# Altium PCB Double-Width Hub Bridge.PcbDoc (part 3 of 3)
Units mm, origin at the board's own origin, x right, y up, seen from the top; angles counter-clockwise.
Board outline 120 x 42.8 mm, 10 copper layers (Top Layer, Layer 2, Layer 3, Layer 4, Layer 5, Layer 6, Layer 7, Layer 8, Layer 9, Bottom Layer), stack 1.595 mm thick; 132 components, 172 nets, 1094 pads, 369 vias.
Unrouted connection lines stored in the file: 40.
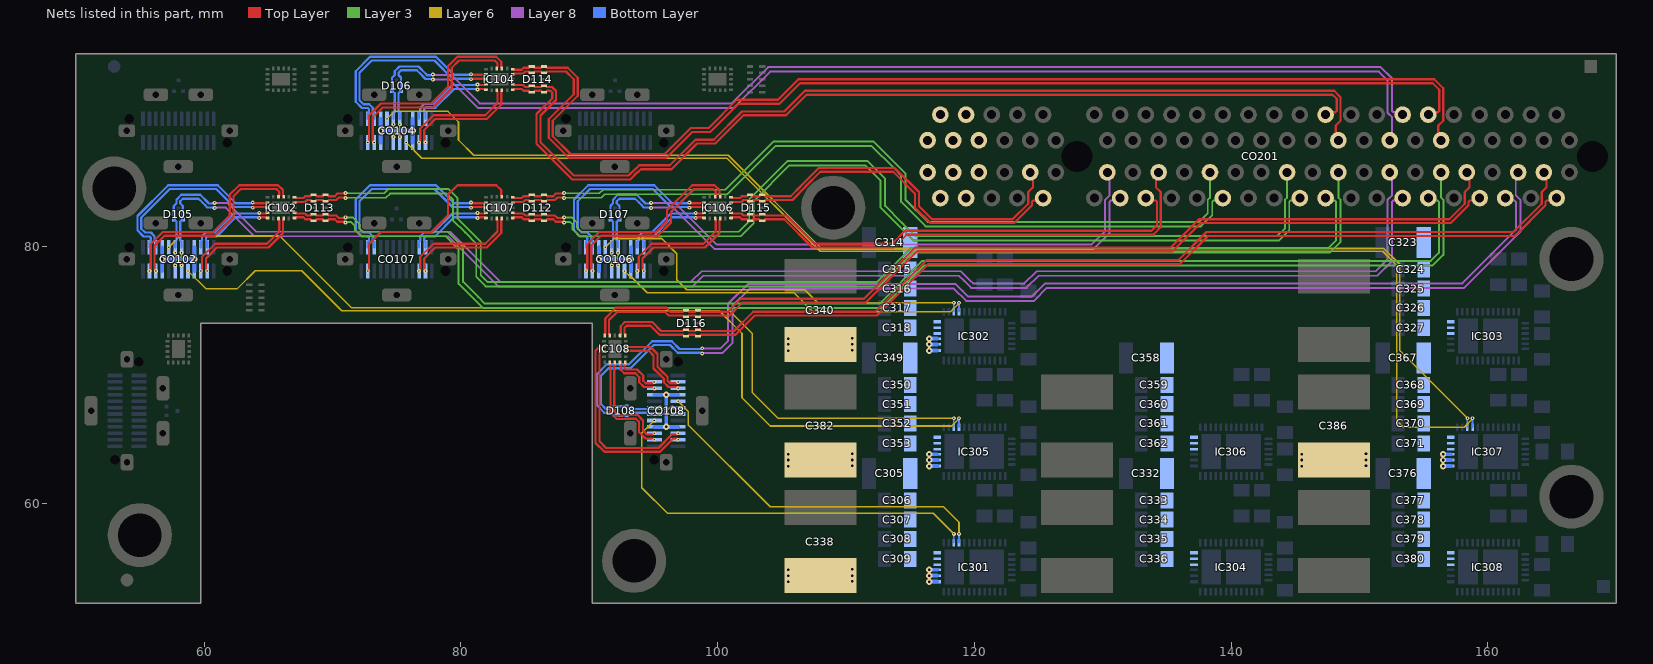
[diagram p11: the nets of this part, all layers, seen from the top]

## Via types
v1: diameter 0.3, hole 0.1, Top Layer to Bottom Layer, 185 vias
v2: diameter 0.5, hole 0.2, Top Layer to Bottom Layer, 104 vias
v3: diameter 0.45, hole 0.2, Top Layer to Bottom Layer, 80 vias

## Nets (pads, with @x,y where several pads share a name; then routed paths per layer and width w, separated by ;. In a path a pad name is that pad's centre, name@x,y a point inside that pad or via, vN(x,y) a via of type N, cw(c..) or ccw(c..) an arc to the next point about the centre after c; other vN are vias at no path point) (continued)
USB3_RX1_P: CO107.31 IC107.2 | length 16
  Top Layer w0.175: v1(72.75,78.075) 72.75,78.109 72.85,78.209 72.85,80.174 73.788,81.112 77.712,81.112 79,82.4 79,84.024 79.733,84.758 82.767,84.758 83.15,84.374 83.15,83.95 83.2,83.9 IC107.2@83.2,83.85
USB3_RX2_N: CO107.10 IC107.8 | length 6.8
  Top Layer w0.175: v1(81.3,82.6) 81.324,82.576 81.412,82.576 81.438,82.55 81.85,82.55 81.9,82.6 IC107.8@81.95,82.6
  Bottom Layer w0.175: CO107.10@76.75,79.925 76.75,80.36 76.85,80.46 76.85,80.784 77.149,81.084 77.884,81.084 79.35,82.55 81.162,82.55 81.188,82.576 81.276,82.576 v1(81.3,82.6)
USB3_RX2_P: CO107.11 IC107.9 | length 6.3
  Top Layer w0.175: v1(81.3,82.2) 81.324,82.224 81.412,82.224 81.438,82.25 81.85,82.25 81.9,82.2 IC107.9@81.95,82.2
  Bottom Layer w0.175: CO107.11@77.25,79.925 77.25,80.36 77.15,80.46 77.15,80.66 77.274,80.784 78.008,80.784 79.474,82.25 81.162,82.25 81.188,82.224 81.276,82.224 v1(81.3,82.2)
USB3_RX_N: CO201.B22 D112.2 D112.9 IC107.17 | length 62.8
  Top Layer w0.175: IC107.17@84.05,83.4 84.1,83.4 84.15,83.45 84.862,83.45 85.013,83.6 85.287,83.6 85.387,83.5 D112.2@85.525,83.5 D112.2@85.662,83.5 ; D112.9@86.475,83.5 D112.9@86.338,83.5 ; D112.9@86.638,83.5 86.738,83.6 87.325,83.6 87.525,83.8 87.912,83.8 87.938,83.774 88.026,83.774 v1(88.05,83.75) ; D112.2@85.662,83.5 D112.2@85.762,83.6 ; D112.2@85.663,83.5 D112.2@85.762,83.6 ; D112.2@85.762,83.6 86.237,83.6 ; 86.237,83.6 D112.9@86.337,83.5 ; 86.238,83.6 D112.9@86.338,83.5
  Layer 3 w0.15: v1(88.05,83.75) 88.075,83.775 89.25,83.775 90.945,83.775 91.22,84.05 100.745,84.05 104.495,87.8 112,87.8 113.7,86.1 114.3,85.5 114.3,83.455 116.205,81.55 137.645,81.55 138.525,82.43 138.525,83.462 138.613,83.55 139.15,83.55 CO201.B22@139.35,83.75
USB3_RX_P: CO201.B21 D112.1 D112.10 IC107.18 | length 63.6
  Top Layer w0.175: IC107.18@84.05,83.8 84.1,83.8 84.15,83.75 84.738,83.75 84.888,83.9 85.288,83.9 85.387,84 D112.1@85.525,84 D112.1@85.662,84 ; D112.10@86.475,84 D112.10@86.338,84 ; D112.10@86.638,84 86.738,83.9 87.201,83.9 87.401,84.1 87.912,84.1 87.938,84.126 88.026,84.126 v1(88.05,84.15) ; D112.1@85.662,84 D112.1@85.762,83.9 ; D112.1@85.663,84 85.763,83.9 ; 85.763,83.9 86.237,83.9 ; 86.237,83.9 D112.10@86.337,84 ; D112.10@86.238,83.9 D112.10@86.338,84
  Layer 3 w0.15: v1(88.05,84.15) 88.075,84.125 89.395,84.125 90.8,84.125 91.075,84.4 100.6,84.4 104.35,88.15 112.145,88.15 114.195,86.1 114.65,85.645 114.65,83.6 116.35,81.9 137.5,81.9 138.175,82.575 138.175,83.607 138.35,83.782 CO201.B21@138.35,85.75
USB3_TX1_N: CO107.3 IC107.7 | length 15.2
  Top Layer w0.175: v1(80.8,83) 80.824,83.024 80.912,83.024 80.938,83.05 81.401,83.05 81.85,83.05 81.9,83 IC107.7@81.95,83
  Bottom Layer w0.175: CO107.3@73.25,79.925 73.25,80.36 73.15,80.46 73.15,80.784 72.872,81.063 72.419,81.063 72.112,81.369 72.112,83.512 73.058,84.458 77.942,84.458 79.35,83.05 80.45,83.05 80.662,83.05 80.688,83.024 80.776,83.024 v1(80.8,83)
USB3_TX1_P: CO107.2 IC107.6 | length 15.7
  Top Layer w0.175: v1(80.8,83.4) 80.824,83.376 80.912,83.376 80.938,83.35 81.525,83.35 81.85,83.35 81.9,83.4 IC107.6@81.95,83.4
  Bottom Layer w0.175: CO107.2@72.75,79.925 72.75,80.36 72.85,80.46 72.85,80.66 72.747,80.763 72.295,80.763 71.812,81.245 71.812,83.637 72.933,84.758 78.067,84.758 79.474,83.35 80.326,83.35 80.662,83.35 80.688,83.376 80.776,83.376 v1(80.8,83.4)
USB3_TX2_N: CO107.23 IC107.11 | length 9
  Top Layer w0.175: v1(76.75,78.075) 76.75,78.109 76.85,78.209 76.85,79.174 77.876,80.2 81.9,80.2 82.85,81.15 82.85,82.05 82.8,82.1 IC107.11@82.8,82.15
USB3_TX2_P: CO107.22 IC107.12 | length 9
  Top Layer w0.175: v1(77.25,78.075) 77.25,78.109 77.15,78.209 77.15,79.05 78,79.9 82.024,79.9 83.15,81.026 83.15,82.05 83.2,82.1 IC107.12@83.2,82.15
USB3_TX_N: CO201.B28 D112.5 D112.6 IC107.14 | length 72.1
  Top Layer w0.175: IC107.14@84.05,82.2 84.1,82.2 84.15,82.25 84.738,82.25 84.888,82.1 85.287,82.1 85.387,82 D112.5@85.525,82 D112.5@85.662,82 ; D112.6@86.475,82 D112.6@86.338,82 ; D112.6@86.638,82 86.738,82.1 87.201,82.1 87.401,81.9 87.912,81.9 87.938,81.874 88.026,81.874 v1(88.05,81.85) ; D112.5@85.662,82 85.762,82.1 ; D112.5@85.663,82 85.763,82.1 ; 85.763,82.1 86.237,82.1 ; 86.237,82.1 D112.6@86.337,82 ; 86.238,82.1 D112.6@86.338,82
  Layer 3 w0.15: v1(88.05,81.85) 88.075,81.875 88.525,81.875 88.7,81.7 88.7,81.304 89.229,80.775 101.787,80.775 102.815,81.803 102.815,83.52 105.595,86.3 111.5,86.3 112.7,85.1 112.7,83 115.25,80.45 143.745,80.45 144.525,81.23 144.525,83.462 144.613,83.55 145.15,83.55 CO201.B28@145.35,83.75
USB3_TX_P: CO201.B27 D112.4 D112.7 IC107.15 | length 72.9
  Top Layer w0.175: IC107.15@84.05,82.6 84.1,82.6 84.15,82.55 84.862,82.55 85.012,82.4 85.287,82.4 85.387,82.5 D112.4@85.525,82.5 D112.4@85.662,82.5 ; D112.7@86.475,82.5 D112.7@86.338,82.5 ; D112.7@86.638,82.5 86.738,82.4 87.325,82.4 87.525,82.2 87.912,82.2 87.938,82.226 88.026,82.226 v1(88.05,82.25) ; D112.4@85.662,82.5 D112.4@85.762,82.4 ; D112.4@85.663,82.5 85.763,82.4 ; 85.763,82.4 D112.7@86.238,82.4 ; D112.7@86.238,82.4 D112.7@86.337,82.5 ; D112.7@86.238,82.4 D112.7@86.338,82.5
  Layer 3 w0.15: v1(88.05,82.25) 88.075,82.225 88.67,82.225 88.947,81.947 89.05,81.845 89.05,81.449 89.374,81.125 101.643,81.125 102.465,81.947 102.465,83.665 105.45,86.65 111.645,86.65 113.05,85.245 113.05,83.145 114.347,81.847 114.471,81.724 115.395,80.8 143.6,80.8 144.175,81.375 144.175,83.607 144.35,83.782 CO201.B27@144.35,85.75
USB4_5V: C382.1 CO102.4 CO102.9 CO102.24 CO102.29 IC305.20 IC305.21 IC305.22 | length 8
  Bottom Layer w0.3: CO102.29@56.75,78.075 v2(56.75,79) ; CO102.4@56.75,79.925 v2(56.75,79) ; CO102.24@59.25,78.075 v2(59.25,79) ; CO102.9@59.25,79.925 v2(59.25,79) ; v2(116.5,62.875) IC305.20@117.1,62.875 ; v2(116.5,63.35) IC305.21@117.1,63.35 ; v2(116.5,63.8) IC305.22@117.1,63.8 ; v2(56.75,79) v2(59.25,79)
  other v2: 105.5,62.875 110.5,62.9 105.5,63.35 110.5,63.35 105.5,63.8 110.5,63.825
USB4_CC1: CO102.5 IC305.28 | length 70.8
  Layer 6 w0.127: v1(57.25,79.925) 58.125,80.8 65.9,80.8 71.492,75.208 100.692,75.208 102.7,73.2 102.7,68.6 104.7,66.6 v1(118.4,66.6)
  Bottom Layer w0.127: IC305.28@118.4,65.9 v1(118.4,66.6)
USB4_CC2: CO102.25 IC305.29 | length 70.1
  Layer 6 w0.127: v1(58.75,78.075) 60.125,76.7 62.6,76.7 64,78.1 67.6,78.1 70.719,74.981 100.119,74.981 101.9,73.2 101.9,68.2 104.1,66 118.243,66 118.8,66.557 v1(118.8,66.6)
  Bottom Layer w0.127: IC305.29@118.8,65.9 v1(118.8,66.6)
USB4_N: CO102.7 CO102.27 CO201.B36 D105.1 | length 109.5
  Layer 3 w0.125: v1(57.75,78.5) 57.75,78.75 58.25,79.25 v1(58.25,79.5)
  Layer 8 w0.15: v1(60.825,82.975) 60.85,83 61.7,83 63.925,80.775 79.025,80.775 79.6,80.2 82.925,76.875 98.07,76.875 98.895,77.7 118.8,77.7 119.2,77.3 119.75,76.75 124.045,76.75 124.995,77.7 151.395,77.7 152.525,78.83 152.525,83.462 152.613,83.55 153.15,83.55 CO201.B36@153.35,83.75
  Bottom Layer w0.175: CO102.7@58.25,79.925 58.25,80.36 58.15,80.46 58.15,81.026 58.15,81.91 58.253,82.013 58.287,82.013 D105.1@58.35,82.075 58.35,83.14 58.15,83.34 58.15,83.5 58.35,83.7 59.576,83.7 59.891,83.385 60.088,83.187 60.251,83.025 60.687,83.025 60.713,82.999 60.801,82.999 v1(60.825,82.975)
USB4_P: CO102.6 CO102.26 CO201.B35 D105.2 | length 111
  Layer 8 w0.125: v1(57.75,79.5) 57.75,79.25 58.25,78.75 v1(58.25,78.5)
  Layer 8 w0.15: v1(60.825,83.375) 60.85,83.35 61.845,83.35 62.647,82.547 62.771,82.424 64.07,81.125 79.17,81.125 80.095,80.2 83.07,77.225 97.925,77.225 98.75,78.05 118.945,78.05 119.695,77.3 119.895,77.1 123.9,77.1 124.85,78.05 151.25,78.05 152.175,78.975 152.175,83.607 152.536,83.968 152.536,85.564 CO201.B35@152.35,85.75
  Bottom Layer w0.175: CO102.6@57.75,79.925 57.75,80.36 57.85,80.46 57.85,81.15 57.85,81.91 57.747,82.013 57.712,82.013 D105.2@57.65,82.075 57.65,83.14 57.85,83.34 57.85,83.624 58.226,84 59.7,84 60.3,83.4 60.375,83.325 60.687,83.325 60.713,83.351 60.801,83.351 v1(60.825,83.375)
USB4_RX1_N: CO102.30 IC102.3 | length 15
  Top Layer w0.175: v1(56.25,78.075) 56.25,78.109 56.15,78.209 56.15,80.05 56.912,80.812 60.837,80.812 62.3,82.276 62.3,83.9 62.858,84.458 65.642,84.458 65.85,84.25 65.85,83.95 65.8,83.9 IC102.3@65.8,83.85
USB4_RX1_P: CO102.31 IC102.2 | length 16
  Top Layer w0.175: v1(55.75,78.075) 55.75,78.109 55.85,78.209 55.85,80.174 56.788,81.112 60.712,81.112 62,82.4 62,84.024 62.733,84.758 65.767,84.758 66.15,84.374 66.15,83.95 66.2,83.9 IC102.2@66.2,83.85
USB4_RX2_N: CO102.10 IC102.8 | length 6.8
  Top Layer w0.175: v1(64.3,82.6) 64.324,82.576 64.412,82.576 64.438,82.55 64.85,82.55 64.9,82.6 IC102.8@64.95,82.6
  Bottom Layer w0.175: CO102.10@59.75,79.925 59.75,80.36 59.85,80.46 59.85,80.784 60.149,81.084 60.884,81.084 62.35,82.55 64.162,82.55 64.188,82.576 64.276,82.576 v1(64.3,82.6)
USB4_RX2_P: CO102.11 IC102.9 | length 6.3
  Top Layer w0.175: v1(64.3,82.2) 64.324,82.224 64.412,82.224 64.438,82.25 64.85,82.25 64.9,82.2 IC102.9@64.95,82.2
  Bottom Layer w0.175: CO102.11@60.25,79.925 60.25,80.36 60.15,80.46 60.15,80.66 60.274,80.784 61.008,80.784 62.474,82.25 64.162,82.25 64.188,82.224 64.276,82.224 v1(64.3,82.2)
USB4_RX_N: CO201.B31 D113.2 D113.9 IC102.17 | length 94.3
  Top Layer w0.175: IC102.17@67.05,83.4 67.1,83.4 67.15,83.45 67.863,83.45 68.013,83.6 68.287,83.6 68.387,83.5 D113.2@68.525,83.5 68.662,83.5 68.762,83.6 69.237,83.6 69.337,83.5 D113.9@69.475,83.5 69.612,83.5 69.712,83.6 70.3,83.6 70.5,83.8 70.887,83.8 70.913,83.774 71.001,83.774 v1(71.025,83.75)
  Layer 3 w0.15: v1(71.025,83.75) 71.05,83.775 74.17,83.775 74.495,84.1 78.9,84.1 79.4,83.6 79.4,82 80.326,81.074 81.2,80.2 81.2,77.605 81.93,76.875 112.57,76.875 115.195,79.5 147.695,79.5 148.525,80.33 148.525,83.607 148.35,83.782 CO201.B31@148.35,85.75
USB4_RX_P: CO201.B30 D113.1 D113.10 IC102.18 | length 92.3
  Top Layer w0.175: IC102.18@67.05,83.8 67.1,83.8 67.15,83.75 67.738,83.75 67.888,83.9 68.288,83.9 68.387,84 D113.1@68.525,84 68.662,84 68.762,83.9 69.237,83.9 69.337,84 D113.10@69.475,84 69.612,84 69.712,83.9 70.176,83.9 70.376,84.1 70.887,84.1 70.913,84.126 71.001,84.126 v1(71.025,84.15)
  Layer 3 w0.15: v1(71.025,84.15) 71.05,84.125 74.025,84.125 74.35,84.45 79.045,84.45 79.75,83.745 79.75,82.145 80.347,81.547 80.471,81.424 81.55,80.345 81.55,77.75 82.075,77.225 112.425,77.225 115.05,79.85 147.55,79.85 148.175,80.475 148.175,83.462 148.087,83.55 147.55,83.55 CO201.B30@147.35,83.75
USB4_TX1_N: CO102.3 IC102.7 | length 14.4
  Top Layer w0.175: v1(63.8,83) 63.824,83.024 63.912,83.024 63.938,83.05 64.401,83.05 64.85,83.05 64.9,83 IC102.7@64.95,83
  Bottom Layer w0.175: CO102.3@56.25,79.925 56.25,80.36 56.15,80.46 56.15,80.784 55.872,81.063 55.419,81.063 55.112,81.369 55.112,82.231 57.339,84.458 60.942,84.458 62.35,83.05 63.45,83.05 63.662,83.05 63.688,83.024 63.776,83.024 v1(63.8,83)
USB4_TX1_P: CO102.2 IC102.6 | length 14.9
  Top Layer w0.175: v1(63.8,83.4) 63.824,83.376 63.912,83.376 63.938,83.35 64.525,83.35 64.85,83.35 64.9,83.4 IC102.6@64.95,83.4
  Bottom Layer w0.175: CO102.2@55.75,79.925 55.75,80.36 55.85,80.46 55.85,80.66 55.747,80.763 55.295,80.763 54.812,81.245 54.812,82.355 57.215,84.758 61.067,84.758 62.474,83.35 63.326,83.35 63.662,83.35 63.688,83.376 63.776,83.376 v1(63.8,83.4)
USB4_TX2_N: CO102.23 IC102.11 | length 9
  Top Layer w0.175: v1(59.75,78.075) 59.75,78.109 59.85,78.209 59.85,79.174 60.876,80.2 64.9,80.2 65.85,81.15 65.85,82.05 65.8,82.1 IC102.11@65.8,82.15
USB4_TX2_P: CO102.22 IC102.12 | length 9
  Top Layer w0.175: v1(60.25,78.075) 60.25,78.109 60.15,78.209 60.15,79.05 61,79.9 65.024,79.9 66.15,81.026 66.15,82.05 66.2,82.1 IC102.12@66.2,82.15
USB4_TX_N: CO201.B39 D113.5 D113.6 IC102.14 | length 102.6
  Top Layer w0.175: IC102.14@67.05,82.2 67.1,82.2 67.15,82.25 67.738,82.25 67.888,82.1 68.287,82.1 68.387,82 D113.5@68.525,82 68.662,82 68.762,82.1 69.237,82.1 69.337,82 D113.6@69.475,82 69.612,82 69.712,82.1 70.176,82.1 70.376,81.9 70.887,81.9 70.913,81.874 71.001,81.874 v1(71.025,81.85)
  Layer 3 w0.15: v1(71.025,81.85) 71.05,81.875 71.46,81.875 71.775,81.56 71.775,81.229 72.229,80.775 78.825,80.775 79.7,79.9 79.835,79.765 79.835,77.07 80.853,76.053 81.73,75.175 112.77,75.175 116.095,78.5 155.695,78.5 156.525,79.33 156.525,83.607 156.35,83.782 CO201.B39@156.35,85.75
USB4_TX_P: CO201.B38 D113.4 D113.7 IC102.15 | length 100.6
  Top Layer w0.175: IC102.15@67.05,82.6 67.1,82.6 67.15,82.55 67.863,82.55 68.013,82.4 68.287,82.4 68.387,82.5 D113.4@68.525,82.5 68.662,82.5 68.762,82.4 69.238,82.4 69.337,82.5 D113.7@69.475,82.5 69.612,82.5 69.712,82.4 70.3,82.4 70.5,82.2 70.887,82.2 70.913,82.226 71.001,82.226 v1(71.025,82.25)
  Layer 3 w0.15: v1(71.025,82.25) 71.05,82.225 71.605,82.225 72.125,81.705 72.125,81.374 72.374,81.125 78.97,81.125 80.185,79.91 80.185,77.215 81.347,76.053 81.875,75.525 112.625,75.525 115.95,78.85 155.55,78.85 156.175,79.475 156.175,83.462 156.087,83.55 155.55,83.55 CO201.B38@155.35,83.75
USB5_5V: C386.1 CO104.4 CO104.9 CO104.24 CO104.29 IC307.20 IC307.21 IC307.22 | length 8
  Bottom Layer w0.3: CO104.29@73.75,88.075 v2(73.75,89) ; CO104.4@73.75,89.925 v2(73.75,89) ; CO104.24@76.25,88.075 v2(76.25,89) ; CO104.9@76.25,89.925 v2(76.25,89) ; v2(156.5,62.875) IC307.20@157.1,62.875 ; v2(156.5,63.35) IC307.21@157.1,63.35 ; v2(156.5,63.8) IC307.22@157.1,63.8 ; v2(73.75,89) v2(76.25,89)
  other v2: 145.5,62.875 150.5,62.9 145.5,63.35 150.5,63.35 145.5,63.8 150.5,63.825
USB5_CC1: CO104.5 IC307.28 | length 99.7
  Layer 6 w0.127: v1(74.25,89.925) 74.825,90.5 79,90.5 79.823,89.677 79.823,88.277 81.009,87.091 100.831,87.091 108.094,79.827 151.894,79.827 153.127,78.594 153.127,71.873 v1(158.4,66.6)
  Bottom Layer w0.127: IC307.28@158.4,65.9 v1(158.4,66.6)
USB5_CC2: CO104.25 IC307.29 | length 100.3
  Layer 6 w0.127: v1(75.75,88.075) 76.961,86.864 100.736,86.864 108,79.6 151.8,79.6 152.9,78.5 152.9,66.4 153.4,65.9 158.143,65.9 158.8,66.557 v1(158.8,66.6)
  Bottom Layer w0.127: IC307.29@158.8,65.9 v1(158.8,66.6)
USB5_N: CO104.7 CO104.27 CO201.A35 D106.1 | length 89.7
  Layer 3 w0.125: v1(74.75,88.5) 74.75,88.75 75.25,89.25 v1(75.25,89.5)
  Layer 8 w0.15: v1(77.825,92.975) 77.85,93 79.1,93 81.325,90.775 101.258,90.775 104.083,93.6 151.5,93.6 152,93.1 152.175,92.925 152.175,90.393 152.536,90.032 152.536,88.436 CO201.A35@152.35,88.25
  Bottom Layer w0.175: CO104.7@75.25,89.925 75.25,90.36 75.15,90.46 75.15,91.026 75.15,91.91 75.253,92.013 75.287,92.013 D106.1@75.35,92.075 75.35,93.14 75.15,93.34 75.15,93.5 75.35,93.7 76.576,93.7 76.891,93.385 77.088,93.187 77.251,93.025 77.687,93.025 77.713,92.999 77.801,92.999 v1(77.825,92.975)
USB5_P: CO104.6 CO104.26 CO201.A36 D106.2 | length 89.2
  Layer 8 w0.125: v1(74.75,89.5) 74.75,89.25 75.25,88.75 v1(75.25,88.5)
  Layer 8 w0.15: v1(77.825,93.375) 77.85,93.35 79.245,93.35 81.47,91.125 101.113,91.125 103.938,93.95 151.645,93.95 152.525,93.07 152.525,90.538 152.613,90.45 153.15,90.45 CO201.A36@153.35,90.25
  Bottom Layer w0.175: CO104.6@74.75,89.925 74.75,90.36 74.85,90.46 74.85,91.15 74.85,91.91 74.747,92.013 74.712,92.013 D106.2@74.65,92.075 74.65,93.14 74.85,93.34 74.85,93.624 75.226,94 76.7,94 77.3,93.4 77.375,93.325 77.687,93.325 77.713,93.351 77.801,93.351 v1(77.825,93.375)
USB5_RX1_N: CO104.30 IC104.3 | length 15
  Top Layer w0.175: v1(73.25,88.075) 73.25,88.109 73.15,88.209 73.15,90.05 73.912,90.812 77.837,90.812 79.3,92.276 79.3,93.9 79.858,94.458 82.642,94.458 82.85,94.25 82.85,93.95 82.8,93.9 IC104.3@82.8,93.85
USB5_RX1_P: CO104.31 IC104.2 | length 16
  Top Layer w0.175: v1(72.75,88.075) 72.75,88.109 72.85,88.209 72.85,90.174 73.788,91.112 77.712,91.112 79,92.4 79,94.024 79.733,94.758 82.767,94.758 83.15,94.374 83.15,93.95 83.2,93.9 IC104.2@83.2,93.85
USB5_RX2_N: CO104.10 IC104.8 | length 6.8
  Top Layer w0.175: v1(81.3,92.6) 81.324,92.576 81.412,92.576 81.438,92.55 81.85,92.55 81.9,92.6 IC104.8@81.95,92.6
  Bottom Layer w0.175: CO104.10@76.75,89.925 76.75,90.36 76.85,90.46 76.85,90.784 77.149,91.084 77.884,91.084 79.35,92.55 81.162,92.55 81.188,92.576 81.276,92.576 v1(81.3,92.6)
USB5_RX2_P: CO104.11 IC104.9 | length 6.3
  Top Layer w0.175: v1(81.3,92.2) 81.324,92.224 81.412,92.224 81.438,92.25 81.85,92.25 81.9,92.2 IC104.9@81.95,92.2
  Bottom Layer w0.175: CO104.11@77.25,89.925 77.25,90.36 77.15,90.46 77.15,90.66 77.274,90.784 78.008,90.784 79.474,92.25 81.162,92.25 81.188,92.224 81.276,92.224 v1(81.3,92.2)
USB5_RX_N: CO201.A38 D114.2 D114.9 IC104.17 | length 86.2
  Top Layer w0.175: IC104.17@84.05,93.4 84.1,93.4 84.15,93.45 84.862,93.45 85.013,93.6 85.287,93.6 85.387,93.5 D114.2@85.525,93.5 D114.2@85.662,93.5 ; CO201.A38@155.35,90.25 155.53,90.43 156.11,90.43 156.212,90.533 156.212,92.188 155.7,92.7 106.424,92.7 104.824,91.1 101.624,91.1 99.424,88.9 98.024,88.9 96.012,86.888 88.41,86.888 86.852,88.445 86.852,89.899 88.8,91.846 88.8,93 88.2,93.6 86.713,93.6 86.613,93.5 D114.9@86.475,93.5 D114.9@86.338,93.5 ; D114.2@85.662,93.5 D114.2@85.762,93.6 ; D114.2@85.663,93.5 D114.2@85.762,93.6 ; D114.2@85.762,93.6 86.237,93.6 ; 86.237,93.6 D114.9@86.337,93.5 ; 86.238,93.6 D114.9@86.338,93.5
USB5_RX_P: CO201.A39 D114.1 D114.10 IC104.18 | length 88.2
  Top Layer w0.175: IC104.18@84.05,93.8 84.1,93.8 84.15,93.75 84.738,93.75 84.888,93.9 85.288,93.9 85.387,94 D114.1@85.525,94 D114.1@85.662,94 ; CO201.A39@156.35,88.25 156.135,88.465 156.135,89.4 156.512,89.778 156.512,92.312 155.824,93 106.3,93 104.7,91.4 101.5,91.4 99.3,89.2 97.9,89.2 95.888,87.188 88.534,87.188 87.152,88.569 87.152,89.774 89.1,91.722 89.1,93.124 88.324,93.9 86.713,93.9 86.613,94 D114.10@86.475,94 D114.10@86.338,94 ; D114.1@85.662,94 85.762,93.9 ; D114.1@85.663,94 85.763,93.9 ; 85.763,93.9 86.237,93.9 ; 86.237,93.9 D114.10@86.337,94 ; 86.238,93.9 D114.10@86.338,94
USB5_TX1_N: CO104.3 IC104.7 | length 15.2
  Top Layer w0.175: v1(80.8,93) 80.824,93.024 80.912,93.024 80.938,93.05 81.401,93.05 81.85,93.05 81.9,93 IC104.7@81.95,93
  Bottom Layer w0.175: CO104.3@73.25,89.925 73.25,90.36 73.15,90.46 73.15,90.784 72.872,91.063 72.419,91.063 72.112,91.369 72.112,93.512 73.058,94.458 77.942,94.458 79.35,93.05 80.45,93.05 80.662,93.05 80.688,93.024 80.776,93.024 v1(80.8,93)
USB5_TX1_P: CO104.2 IC104.6 | length 15.7
  Top Layer w0.175: v1(80.8,93.4) 80.824,93.376 80.912,93.376 80.938,93.35 81.525,93.35 81.85,93.35 81.9,93.4 IC104.6@81.95,93.4
  Bottom Layer w0.175: CO104.2@72.75,89.925 72.75,90.36 72.85,90.46 72.85,90.66 72.747,90.763 72.295,90.763 71.812,91.245 71.812,93.637 72.933,94.758 78.067,94.758 79.474,93.35 80.326,93.35 80.662,93.35 80.688,93.376 80.776,93.376 v1(80.8,93.4)
USB5_TX2_N: CO104.23 IC104.11 | length 9
  Top Layer w0.175: v1(76.75,88.075) 76.75,88.109 76.85,88.209 76.85,89.174 77.876,90.2 81.9,90.2 82.85,91.15 82.85,92.05 82.8,92.1 IC104.11@82.8,92.15
USB5_TX2_P: CO104.22 IC104.12 | length 9
  Top Layer w0.175: v1(77.25,88.075) 77.25,88.109 77.15,88.209 77.15,89.05 78,89.9 82.024,89.9 83.15,91.026 83.15,92.05 83.2,92.1 IC104.12@83.2,92.15
USB5_TX_N: CO201.A30 D114.5 D114.6 IC104.14 | length 76.4
  Top Layer w0.175: IC104.14@84.05,92.2 84.1,92.2 84.15,92.25 84.738,92.25 84.888,92.1 85.287,92.1 85.387,92 D114.5@85.525,92 D114.5@85.662,92 ; CO201.A30@147.35,90.25 147.53,90.43 148.11,90.43 148.212,90.533 148.212,91.488 147.9,91.8 106.924,91.8 105.324,90.2 102.024,90.2 99.824,88 98.4,88 96.4,86 94.024,86 93.761,85.737 93.73,85.737 93.193,85.2 88.676,85.2 85.9,87.976 85.9,90.3 87.112,91.512 87.112,91.966 86.978,92.1 86.713,92.1 86.613,92 D114.6@86.475,92 D114.6@86.338,92 ; D114.5@85.662,92 85.762,92.1 ; D114.5@85.663,92 85.763,92.1 ; 85.763,92.1 86.237,92.1 ; 86.237,92.1 D114.6@86.337,92 ; 86.238,92.1 D114.6@86.338,92
USB5_TX_P: CO201.A31 D114.4 D114.7 IC104.15 | length 78.4
  Top Layer w0.175: IC104.15@84.05,92.6 84.1,92.6 84.15,92.55 84.862,92.55 85.012,92.4 85.287,92.4 85.387,92.5 D114.4@85.525,92.5 D114.4@85.662,92.5 ; CO201.A31@148.35,88.25 148.135,88.465 148.135,89.4 148.512,89.778 148.512,91.612 148.024,92.1 106.8,92.1 105.2,90.5 101.9,90.5 99.7,88.3 98.276,88.3 96.276,86.3 93.9,86.3 93.662,86.062 93.631,86.062 93.069,85.5 88.8,85.5 86.2,88.1 86.2,90.176 87.412,91.388 87.412,92.09 87.102,92.4 86.712,92.4 86.613,92.5 D114.7@86.475,92.5 D114.7@86.338,92.5 ; D114.4@85.662,92.5 D114.4@85.762,92.4 ; D114.4@85.663,92.5 85.763,92.4 ; 85.763,92.4 D114.7@86.238,92.4 ; D114.7@86.238,92.4 D114.7@86.337,92.5 ; D114.7@86.238,92.4 D114.7@86.338,92.5
USB6_5V: C340.1 CO106.4 CO106.9 CO106.24 CO106.29 IC302.20 IC302.21 IC302.22 | length 8
  Bottom Layer w0.3: CO106.29@90.75,78.075 v2(90.75,79) ; CO106.4@90.75,79.925 v2(90.75,79) ; CO106.24@93.25,78.075 v2(93.25,79) ; CO106.9@93.25,79.925 v2(93.25,79) ; v2(116.5,71.875) IC302.20@117.1,71.875 ; v2(116.5,72.35) IC302.21@117.1,72.35 ; v2(116.5,72.8) IC302.22@117.1,72.8 ; v2(90.75,79) v2(93.25,79)
  other v2: 105.5,71.875 110.5,71.9 105.5,72.35 110.5,72.35 105.5,72.8 110.5,72.825
USB6_CC1: CO106.5 IC302.28 | length 31.4
  Layer 6 w0.127: v1(91.25,79.925) 91.925,80.6 95.645,80.6 96.823,79.421 96.823,77.385 97.6,76.608 106.792,76.608 107.8,75.6 v1(118.4,75.6)
  Bottom Layer w0.127: IC302.28@118.4,74.9 v1(118.4,75.6)
USB6_CC2: CO106.25 IC302.29 | length 28.4
  Layer 6 w0.127: v1(92.75,78.075) 93.28,77.545 93.356,77.545 94.519,76.381 105.943,76.381 107.3,75.024 107.424,74.9 118.143,74.9 118.8,75.557 v1(118.8,75.6)
  Bottom Layer w0.127: IC302.29@118.8,74.9 v1(118.8,75.6)
USB6_N: CO106.7 CO106.27 CO201.B14 D107.1 | length 49
  Layer 3 w0.125: v1(91.75,78.5) 91.75,78.75 92.25,79.25 v1(92.25,79.5)
  Layer 8 w0.15: v1(94.825,82.975) 94.85,83 96.545,83 99.756,79.79 129.285,79.79 130.525,81.03 130.525,83.462 130.613,83.55 131.15,83.55 CO201.B14@131.35,83.75
  Bottom Layer w0.175: CO106.7@92.25,79.925 92.25,80.36 92.15,80.46 92.15,81.026 92.15,81.91 92.253,82.013 92.288,82.013 D107.1@92.35,82.075 92.35,83.14 92.15,83.34 92.15,83.5 92.35,83.7 93.576,83.7 93.891,83.385 94.088,83.187 94.251,83.025 94.687,83.025 94.713,82.999 94.801,82.999 v1(94.825,82.975)
USB6_P: CO106.6 CO106.26 CO201.B13 D107.2 | length 50.5
  Layer 8 w0.125: v1(91.75,79.5) 91.75,79.25 92.25,78.75 v1(92.25,78.5)
  Layer 8 w0.15: v1(94.825,83.375) 94.85,83.35 96.69,83.35 99.901,80.14 129.14,80.14 130.175,81.175 130.175,83.607 130.536,83.968 130.536,85.564 CO201.B13@130.35,85.75
  Bottom Layer w0.175: CO106.6@91.75,79.925 91.75,80.36 91.85,80.46 91.85,81.15 91.85,81.91 91.747,82.013 91.713,82.013 D107.2@91.65,82.075 91.65,83.14 91.85,83.34 91.85,83.624 92.226,84 93.7,84 94.3,83.4 94.375,83.325 94.687,83.325 94.713,83.351 94.801,83.351 v1(94.825,83.375)
USB6_RX1_N: CO106.30 IC106.3 | length 14.5
  Top Layer w0.175: v1(90.25,78.075) 90.25,78.109 90.15,78.209 90.15,80.05 90.912,80.812 95.337,80.812 96.367,81.843 96.367,82.667 98.158,84.458 99.642,84.458 99.85,84.25 99.85,83.95 99.8,83.9 IC106.3@99.8,83.85
USB6_RX1_P: CO106.31 IC106.2 | length 15.5
  Top Layer w0.175: v1(89.75,78.075) 89.75,78.109 89.85,78.209 89.85,80.174 90.788,81.112 95.212,81.112 96.067,81.967 96.067,82.792 98.033,84.758 99.767,84.758 100.15,84.374 100.15,83.95 100.2,83.9 IC106.2@100.2,83.85
USB6_RX2_N: CO106.10 IC106.8 | length 6.8
  Top Layer w0.175: v1(98.3,82.6) 98.324,82.576 98.412,82.576 98.438,82.55 98.85,82.55 98.9,82.6 IC106.8@98.95,82.6
  Bottom Layer w0.175: CO106.10@93.75,79.925 93.75,80.36 93.85,80.46 93.85,80.784 94.149,81.084 94.884,81.084 96.35,82.55 98.162,82.55 98.188,82.576 98.276,82.576 v1(98.3,82.6)
USB6_RX2_P: CO106.11 IC106.9 | length 6.3
  Top Layer w0.175: v1(98.3,82.2) 98.324,82.224 98.412,82.224 98.438,82.25 98.85,82.25 98.9,82.2 IC106.9@98.95,82.2
  Bottom Layer w0.175: CO106.11@94.25,79.925 94.25,80.36 94.15,80.46 94.15,80.66 94.274,80.784 95.008,80.784 96.474,82.25 98.162,82.25 98.188,82.224 98.276,82.224 v1(98.3,82.2)
USB6_RX_N: CO201.B10 D115.2 D115.9 IC106.17 | length 28.7
  Top Layer w0.175: IC106.17@101.05,83.4 101.1,83.4 101.15,83.45 101.863,83.45 102.013,83.6 102.287,83.6 102.387,83.5 D115.2@102.525,83.5 102.662,83.5 102.762,83.6 103.237,83.6 103.337,83.5 D115.9@103.475,83.5 103.613,83.5 103.713,83.6 105.824,83.6 106.81,84.585 106.81,84.61 107.999,85.8 113.676,85.8 115.382,84.094 115.382,82.994 116.576,81.8 123.1,81.8 124.488,83.188 124.488,83.467 124.59,83.57 125.17,83.57 CO201.B10@125.35,83.75
USB6_RX_P: CO201.B9 D115.1 D115.10 IC106.18 | length 29.8
  Top Layer w0.175: IC106.18@101.05,83.8 101.1,83.8 101.15,83.75 101.738,83.75 101.888,83.9 102.288,83.9 102.387,84 D115.1@102.525,84 102.662,84 102.762,83.9 103.237,83.9 103.337,84 D115.10@103.475,84 103.613,84 103.713,83.9 105.7,83.9 106.486,84.686 106.486,84.711 107.875,86.1 113.8,86.1 115.682,84.218 115.682,83.118 116.7,82.1 122.976,82.1 124.188,83.312 124.188,84.222 124.565,84.6 124.565,85.535 CO201.B9@124.35,85.75
USB6_TX1_N: CO106.3 IC106.7 | length 15.2
  Top Layer w0.175: v1(97.8,83) 97.824,83.024 97.912,83.024 97.938,83.05 98.401,83.05 98.85,83.05 98.9,83 IC106.7@98.95,83
  Bottom Layer w0.175: CO106.3@90.25,79.925 90.25,80.36 90.15,80.46 90.15,80.784 89.872,81.063 89.419,81.063 89.112,81.369 89.112,83.512 90.058,84.458 94.942,84.458 96.35,83.05 97.45,83.05 97.662,83.05 97.688,83.024 97.776,83.024 v1(97.8,83)
USB6_TX1_P: CO106.2 IC106.6 | length 15.7
  Top Layer w0.175: v1(97.8,83.4) 97.824,83.376 97.912,83.376 97.938,83.35 98.525,83.35 98.85,83.35 98.9,83.4 IC106.6@98.95,83.4
  Bottom Layer w0.175: CO106.2@89.75,79.925 89.75,80.36 89.85,80.46 89.85,80.66 89.747,80.763 89.295,80.763 88.812,81.245 88.812,83.637 89.933,84.758 95.067,84.758 96.474,83.35 97.326,83.35 97.662,83.35 97.688,83.376 97.776,83.376 v1(97.8,83.4)
USB6_TX2_N: CO106.23 IC106.11 | length 9
  Top Layer w0.175: v1(93.75,78.075) 93.75,78.109 93.85,78.209 93.85,79.174 94.876,80.2 98.9,80.2 99.85,81.15 99.85,82.05 99.8,82.1 IC106.11@99.8,82.15
USB6_TX2_P: CO106.22 IC106.12 | length 9
  Top Layer w0.175: v1(94.25,78.075) 94.25,78.109 94.15,78.209 94.15,79.05 95,79.9 99.024,79.9 100.15,81.026 100.15,82.05 100.2,82.1 IC106.12@100.2,82.15
USB6_TX_N: CO201.B17 D115.5 D115.6 IC106.14 | length 39.8
  Top Layer w0.175: IC106.14@101.05,82.2 101.1,82.2 101.15,82.25 101.738,82.25 101.888,82.1 102.287,82.1 102.387,82 D115.5@102.525,82 102.662,82 102.762,82.1 103.237,82.1 103.337,82 D115.6@103.475,82 103.613,82 103.713,82.1 104.188,82.1 105.2,82.1 107.4,79.9 113.724,79.9 114.724,80.9 133.924,80.9 134.512,81.488 134.512,84.222 134.135,84.6 134.135,85.535 CO201.B17@134.35,85.75
USB6_TX_P: CO201.B16 D115.4 D115.7 IC106.15 | length 37.7
  Top Layer w0.175: IC106.15@101.05,82.6 101.1,82.6 101.15,82.55 101.863,82.55 102.013,82.4 102.287,82.4 102.387,82.5 D115.4@102.525,82.5 102.662,82.5 102.762,82.4 103.238,82.4 103.337,82.5 D115.7@103.475,82.5 103.613,82.5 103.712,82.4 104.312,82.4 105.324,82.4 107.524,80.2 113.6,80.2 114.6,81.2 133.8,81.2 134.212,81.612 134.212,83.467 134.11,83.57 133.53,83.57 CO201.B16@133.35,83.75
USB7_5V: C338.1 CO108.4 CO108.9 CO108.24 CO108.29 IC301.20 IC301.21 IC301.22 | length 8
  Bottom Layer w0.3: CO108.4@95.075,65.93 v2(96,65.93) ; CO108.9@95.075,68.43 v2(96,68.43) ; CO108.29@96.925,65.93 v2(96,65.93) ; CO108.24@96.925,68.43 v2(96,68.43) ; v2(116.5,53.875) IC301.20@117.1,53.875 ; v2(116.5,54.35) IC301.21@117.1,54.35 ; v2(116.5,54.8) IC301.22@117.1,54.8 ; v2(96,65.93) v2(96,68.43)
  other v2: 105.5,53.875 110.5,53.9 105.5,54.35 110.5,54.35 105.5,54.8 110.5,54.825
USB7_CC1: CO108.5 IC301.28 | length 32.1
  Layer 6 w0.127: v1(95.075,66.43) 94.1,65.455 94.1,61.2 96.1,59.2 116.8,59.2 v1(118.4,57.6)
  Bottom Layer w0.127: IC301.28@118.4,56.9 v1(118.4,57.6)
USB7_CC2: CO108.25 IC301.29 | length 28
  Layer 6 w0.127: v1(96.925,67.93) 97.7,67.155 97.7,66.1 104.1,59.7 117.6,59.7 118.8,58.5 v1(118.8,57.6)
  Bottom Layer w0.127: IC301.29@118.8,56.9 v1(118.8,57.6)
USB7_N: CO108.7 CO108.27 CO201.B45 D108.1 | length 92.1
  Layer 3 w0.125: v1(95.5,67.43) 95.75,67.43 96.25,66.93 v1(96.5,66.93)
  Layer 8 w0.15: v1(98.8,71.65) 98.825,71.675 100.37,71.675 101.15,72.455 101.15,75.355 102.495,76.7 118.405,76.7 119.355,75.75 124.65,75.75 125.65,76.75 158.145,76.75 162.525,81.13 162.525,83.607 162.164,83.968 162.164,85.564 CO201.B45@162.35,85.75
  Bottom Layer w0.175: CO108.7@95.075,67.43 94.64,67.43 94.54,67.33 93.09,67.33 92.987,67.433 92.987,67.467 D108.1@92.925,67.53 91.86,67.53 91.66,67.33 91.3,67.33 90.9,67.73 90.9,69.9 91.5,70.5 93.224,70.5 95.024,72.3 96.3,72.3 96.9,71.7 98.479,71.7 98.662,71.7 98.688,71.674 98.776,71.674 v1(98.8,71.65)
USB7_P: CO108.6 CO108.26 CO201.B44 D108.2 | length 90.9
  Layer 8 w0.125: v1(95.5,66.93) 95.75,66.93 96.25,67.43 v1(96.5,67.43)
  Layer 8 w0.15: v1(98.8,72.05) 98.825,72.025 100.225,72.025 100.8,72.6 100.8,75.5 102.35,77.05 118.55,77.05 118.976,76.624 119.1,76.5 119.5,76.1 124.505,76.1 125.505,77.1 158,77.1 162.175,81.275 162.175,83.462 162.087,83.55 161.55,83.55 CO201.B44@161.35,83.75
  Bottom Layer w0.175: CO108.6@95.075,66.93 94.64,66.93 94.54,67.03 93.09,67.03 92.987,66.927 92.987,66.892 D108.2@92.925,66.83 91.86,66.83 91.66,67.03 91.176,67.03 90.6,67.606 90.6,70.024 91.376,70.8 93.1,70.8 94.9,72.6 96.424,72.6 97.024,72 98.34,72 98.662,72 98.688,72.026 98.776,72.026 v1(98.8,72.05)
USB7_RX1_N: CO108.30 IC108.3 | length 14.2
  Top Layer w0.175: IC108.3@91.15,71.8 91.1,71.8 91.065,71.835 90.895,71.835 90.792,71.733 90.792,64.808 91.308,64.292 95.392,64.292 96.43,65.33 96.791,65.33 96.891,65.43 v1(96.925,65.43)
USB7_RX1_P: CO108.31 IC108.2 | length 15.2
  Top Layer w0.175: IC108.2@91.15,72.2 91.1,72.2 91.035,72.135 90.771,72.135 90.492,71.857 90.492,64.683 91.183,63.992 95.517,63.992 96.554,65.03 96.791,65.03 96.891,64.93 v1(96.925,64.93)
USB7_RX2_N: CO108.10 IC108.8 | length 4
  Top Layer w0.175: IC108.8@92.4,70.95 92.4,70.9 92.45,70.85 92.45,70.378 92.728,70.1 93.6,70.1 93.9,69.8 93.9,69.406 94.276,69.03 94.941,69.03 95.041,68.93 v1(95.075,68.93)
USB7_RX2_P: CO108.11 IC108.9 | length 3.6
  Top Layer w0.175: IC108.9@92.8,70.95 92.8,70.9 92.75,70.85 92.75,70.503 92.853,70.4 93.724,70.4 94.2,69.924 94.2,69.53 94.4,69.33 94.941,69.33 95.041,69.43 v1(95.075,69.43)
USB7_RX_N: CO201.B42 D116.2 D116.9 IC108.17 | length 73.5
  Top Layer w0.175: IC108.17@91.6,73.05 91.6,73.1 91.55,73.15 91.55,74.25 92.2,74.9 95.888,74.9 96.188,74.6 97.287,74.6 97.387,74.5 D116.2@97.525,74.5 97.662,74.5 97.762,74.6 98.237,74.6 98.337,74.5 D116.9@98.475,74.5 98.613,74.5 98.713,74.6 100.924,74.6 101.924,75.6 111.524,75.6 115.524,79.6 135.424,79.6 137.624,81.8 150.576,81.8 157.1,81.8 158.488,83.188 158.488,83.467 158.59,83.57 159.17,83.57 CO201.B42@159.35,83.75
USB7_RX_P: CO201.B41 D116.1 D116.10 IC108.18 | length 75.1
  Top Layer w0.175: IC108.18@91.2,73.05 91.2,73.1 91.25,73.15 91.25,74.374 92.076,75.2 96.013,75.2 96.313,74.9 97.288,74.9 97.387,75 D116.1@97.525,75 97.662,75 97.762,74.9 98.237,74.9 98.337,75 D116.10@98.475,75 98.613,75 98.713,74.9 100.8,74.9 101.8,75.9 111.4,75.9 115.4,79.9 135.3,79.9 137.5,82.1 156.976,82.1 158.188,83.312 158.188,84.222 158.565,84.6 158.565,85.535 CO201.B41@158.35,85.75
USB7_TX1_N: CO108.3 IC108.7 | length 8.2
  Top Layer w0.175: IC108.7@92,70.95 92,70.9 91.95,70.85 91.95,67.163 92.271,66.842 92.64,66.842 92.665,66.868 93.755,66.868 94.188,66.435 94.188,65.642 94.5,65.33 94.941,65.33 95.041,65.43 v1(95.075,65.43)
USB7_TX1_P: CO108.2 IC108.6 | length 8.7
  Top Layer w0.175: IC108.6@91.6,70.95 91.6,70.9 91.65,70.85 91.65,67.039 92.147,66.542 92.764,66.542 92.789,66.567 93.631,66.567 93.888,66.311 93.888,65.518 94.376,65.03 94.941,65.03 95.041,64.93 v1(95.075,64.93)
USB7_TX2_N: CO108.23 IC108.11 | length 6.1
  Top Layer w0.175: IC108.11@92.85,71.8 92.9,71.8 92.95,71.85 94.65,71.85 95.012,71.488 95.012,70.485 95.511,69.986 95.514,69.986 95.8,69.7 95.8,69.406 96.176,69.03 96.791,69.03 96.891,68.93 v1(96.925,68.93)
USB7_TX2_P: CO108.22 IC108.12 | length 6.1
  Top Layer w0.175: IC108.12@92.85,72.2 92.9,72.2 92.95,72.15 94.774,72.15 95.312,71.612 95.312,70.609 95.635,70.286 95.638,70.286 96.1,69.824 96.1,69.53 96.3,69.33 96.791,69.33 96.891,69.43 v1(96.925,69.43)
USB7_TX_N: CO201.B48 D116.5 D116.6 IC108.14 | length 78.3
  Top Layer w0.175: IC108.14@92.8,73.05 92.8,73.1 92.75,73.15 92.75,73.65 92.9,73.8 94.776,73.8 95.476,73.1 97.287,73.1 97.387,73 D116.5@97.525,73 97.662,73 97.762,73.1 98.237,73.1 98.337,73 D116.6@98.475,73 98.613,73 98.713,73.1 101.4,73.1 102.9,74.6 112.4,74.6 116.4,78.6 136,78.6 138.2,80.8 162.1,80.8 164.488,83.188 164.488,83.467 164.59,83.57 165.17,83.57 CO201.B48@165.35,83.75
USB7_TX_P: CO201.B47 D116.4 D116.7 IC108.15 | length 79.9
  Top Layer w0.175: IC108.15@92.4,73.05 92.4,73.1 92.45,73.15 92.45,73.774 92.776,74.1 94.9,74.1 95.6,73.4 97.287,73.4 97.387,73.5 D116.4@97.525,73.5 97.662,73.5 97.762,73.4 98.238,73.4 98.337,73.5 D116.7@98.475,73.5 98.613,73.5 98.712,73.4 101.276,73.4 102.776,74.9 112.276,74.9 116.276,78.9 135.876,78.9 138.076,81.1 161.976,81.1 164.188,83.312 164.188,84.222 164.565,84.6 164.565,85.535 CO201.B47@164.35,85.75
VPWR: C305.1 C306.1 C307.1 C308.1 C309.1 C314.1 C315.1 C316.1 C317.1 C318.1 C323.1 C324.1 C325.1 C326.1 C327.1 C332.1 C333.1 C334.1 C335.1 C336.1 C349.1 C350.1 C351.1 C352.1 C353.1 C358.1 C359.1 C360.1 C361.1 C362.1 C367.1 C368.1 C369.1 C370.1 C371.1 C376.1 C377.1 C378.1 C379.1 C380.1 CO201.A1 CO201.A2 CO201.A3 CO201.A4 CO201.A5 CO201.B1 CO201.B2 CO201.B3 CO201.B4 CO201.B5 IC301.23 IC301.24 IC301.25 IC302.23 IC302.24 IC302.25 IC303.23 IC303.24 IC303.25 IC304.23 IC304.24 IC304.25 IC305.23 IC305.24 IC305.25 IC306.23 IC306.24 IC306.25 IC307.23 IC307.24 IC307.25 IC308.23 IC308.24 IC308.25
pads on no net: CO101.0 CO101.8 CO101.28 CO102.0 CO102.8 CO102.28 CO103.0 CO103.8 CO103.28 CO104.0 CO104.8 CO104.28 CO105.0 CO105.8 CO105.28 CO106.0 CO106.8 CO106.28 CO107.0 CO107.8 CO107.28 CO108.0 CO108.8 CO108.28 CO201.HOLE Fid1.1 Fid2.1 Fid3.1 Fid4.1 IC101.1 IC101.4 IC101.5 IC101.10 IC101.13 IC102.1 IC102.4 IC102.5 IC102.10 IC102.13 IC103.1 IC103.4 IC103.5 IC103.10 IC103.13 IC104.1 IC104.4 IC104.5 IC104.10 IC104.13 IC105.1 IC105.4 IC105.5 IC105.10 IC105.13 IC106.1 IC106.4 IC106.5 IC106.10 IC106.13 IC107.1 IC107.4 IC107.5 IC107.10 IC107.13 IC108.1 IC108.4 IC108.5 IC108.10 IC108.13 IC301.2 IC301.3 IC301.8 IC301.9 IC301.10 IC301.16 IC301.17 IC301.18 IC301.32 IC301.33 IC302.2 IC302.3 IC302.8 IC302.9 IC302.10 IC302.16 IC302.17 IC302.18 IC302.32 IC302.33 IC303.2 IC303.3 IC303.8 IC303.9 IC303.10 IC303.16 IC303.17 IC303.18 IC303.32 IC303.33 IC304.2 IC304.3 IC304.8 IC304.9 IC304.10 IC304.16 IC304.17 IC304.18 IC304.32 IC304.33 IC305.2 IC305.3 IC305.8 IC305.9 IC305.10 IC305.16 IC305.17 IC305.18 IC305.32 IC305.33 IC306.2 IC306.3 IC306.8 IC306.9 IC306.10 IC306.16 IC306.17 IC306.18 IC306.32 IC306.33 IC307.2 IC307.3 IC307.8 IC307.9 IC307.10 IC307.16 IC307.17 IC307.18 IC307.32 IC307.33 IC308.2 IC308.3 IC308.8 IC308.9 IC308.10 IC308.16 IC308.17 IC308.18 IC308.32 IC308.33

## Polygon pours and split planes (outlines as drawn)
no net on Layer0 "Default Coverlay 2 Top" (split plane): 220,315 220,295 190,295 190,315
no net on Layer0 "Default Coverlay 2 Top" (split plane): 289,135 289,130 181,130 181,135
no net on Layer0 "Default Coverlay 2 Top" (split plane): 291,111 285,111 285,126 291,126
no net on Layer0 "Default Coverlay 2 Top" (split plane): 179,100 185,100 185,89 179,89
no net on Layer0 "Default Coverlay 2 Top" (split plane): 231,89 225,89 225,100 231,100
GND on Layer 5 "GND_L05_P174" (solid, pour order 174): 50,52 170,52 170,95 50,95
USB2_5V on Layer 5 "Layer 5-USB2_5V" (solid, pour order 170): 141.25,73.25 143.331,71.25 146,71.25 146.5,71.75 146.5,74.75 143.75,77.5 133,77.5 132.5,78 132.5,79.5 132,80 116,80 115.5,80.5 115.5,88 113.75,89.75 107.25,89.75 105.754,91.246 89.253,91.246 88.75,90.743 88.75,88.75 89.25,88.25 113,88.25 113.5,87.75 113.5,78.75 114,78.25 130.5,78.25 131,77.75 131,73.75 131.5,73.25
USB5_5V on Layer 5 "Layer 5-USB5_5V" (solid, pour order 167): 141.25,67 141.29,64.29 143.331,62.25 146,62.25 146.5,62.75 146.5,65.75 143.75,68.5 131.25,68.5 130.75,69 130.75,77.5 130.25,78 113.75,78 113.25,78.5 113.25,87.25 112.5,88 84.25,88 81.004,91.246 72.253,91.246 71.75,90.743 71.75,86.5 72.25,86 109.25,86 111.25,84 111.25,77.5 112.25,76.5 128.75,76.5 129.25,76 129.25,67.5 129.75,67
USB1_5V on Layer 5 "Layer 5-USB1_5V" (solid, pour order 163): 127.25,58.5 127.75,58 141.25,58 141.29,55.29 143.331,53.25 146,53.25 146.5,53.75 146.5,56.75 143.75,59.5 129.5,59.5 129,60 129,75.5 128.5,76 112,76 108.5,79.5 108.5,80.25 103,85.75 67.25,85.75 61.754,91.246 55.253,91.246 54.75,90.743 54.75,86.75 57.25,84.25 102.5,84.25 107,79.75 107,78.5 111,74.5 126.75,74.5 127.25,74 127.25,68.75
USB3_5V on Layer 5 "Layer 5-USB3_5V" (solid, pour order 160): 85,77.75 88.75,81.5 97.5,81.5 99,80 104.5,80 105,79.5 105,77 107.25,74.75 107.25,67.5 107.75,67 121.25,67 121.29,64.29 123.331,62.25 126,62.25 126.5,62.75 126.5,65.75 123.75,68.5 109.5,68.5 109,69 109,76 106.75,78.25 106.75,79.75 102.5,84 87.75,84 85,81.25 80.25,81.25 71.8,81.25 71.5,80.95 71.5,78.25 72,77.75
USB6_5V on Layer 5 "Layer 5-USB6_5V" (solid, pour order 156): 103.25,71.75 103.75,71.25 106,71.25 106.5,71.75 106.5,74.75 105.75,75.5 104.75,76.5 104.75,79.25 104.25,79.75 98.75,79.75 97.25,81.25 88.8,81.25 88.5,80.95 88.5,78.25 89,77.75 102.5,77.75 103.25,77 103.25,75.5
USB0_5V on Layer 5 "Layer 5-USB0_5V" (solid, pour order 146): 99.25,73.75 98.75,74.25 57.25,74.25 56.75,73.75 56.75,64.25 56.25,63.75 52.25,63.75 51.75,64.25 51.75,75.25 52.25,75.75 100.25,75.75 100.75,75.25 100.75,59.75 101.25,59.25 107.5,59.25 124,59.25 126.5,56.75 126.5,53.75 126,53.25 123.331,53.25 122.581,54 122.581,55.407 120.238,57.75 107,57.75 99.75,57.75 99.25,58.25
USB7_5V on Layer 5 "USB7_5V_L05_P144" (solid, pour order 144): 93.2,65.43 93.2,68.93 93.52,69.25 97.94,69.25 98.8,68.39 98.8,57.95 99.5,57.25 104.25,57.25 106.5,55 106.5,53.75 106,53.25 97,53.25 93.25,57
USB4_5V on Layer 5 "Layer 5-USB4_5V" (solid, pour order 112): 54.5,76.5 55,76 100.75,76 101.25,75.5 101.25,64.331 103.331,62.25 106,62.25 106.5,62.75 106.5,65.75 105.25,67 102.75,69.5 102.75,77 102.25,77.5 68.25,77.5 64.516,81.234 54.912,81.234 54.5,80.822
USB6_5V on Layer 5 "USB6_5V_L05_P141" (solid, pour order 141): 110,71.25 109.75,71.5 109.75,73.25 110,73.5 117,73.5 117.25,73.25 117.25,71.5 117,71.25
USB4_5V on Layer 5 "USB4_5V_L05_P140" (solid, pour order 140): 110,62.25 109.75,62.5 109.75,64.25 110,64.5 117,64.5 117.25,64.25 117.25,62.5 117,62.25
USB7_5V on Layer 5 "USB7_5V_L05_P139" (solid, pour order 139): 110,53.25 109.75,53.5 109.75,55.25 110,55.5 117,55.5 117.25,55.25 117.25,53.5 117,53.25
USB3_5V on Layer 5 "USB3_5V_L05_P138" (solid, pour order 138): 130,62.25 129.75,62.5 129.75,64.25 130,64.5 137,64.5 137.25,64.25 137.25,62.5 137,62.25
USB0_5V on Layer 5 "USB0_5V_L05_P137" (solid, pour order 137): 130,53.25 129.75,53.5 129.75,55.25 130,55.5 137,55.5 137.25,55.25 137.25,53.5 137,53.25
USB1_5V on Layer 5 "USB1_5V_L05_P136" (solid, pour order 136): 150,53.25 149.75,53.5 149.75,55.25 150,55.5 157,55.5 157.25,55.25 157.25,53.5 157,53.25
USB5_5V on Layer 5 "USB5_5V_L05_P135" (solid, pour order 135): 150,62.25 149.75,62.5 149.75,64.25 150,64.5 157,64.5 157.25,64.25 157.25,62.5 157,62.25
USB2_5V on Layer 5 "USB2_5V_L05_P134" (solid, pour order 134): 150,71.25 149.75,71.5 149.75,73.25 150,73.5 157,73.5 157.25,73.25 157.25,71.5 157,71.25
no net on Layer0 "Default Coverlay 2 Bottom" (split plane): 220,315 220,295 190,295 190,315
no net on Layer0 "Default Coverlay 2 Bottom" (split plane): 289,135 289,130 181,130 181,135
no net on Layer0 "Default Coverlay 2 Bottom" (split plane): 291,111 285,111 285,126 291,126
no net on Layer0 "Default Coverlay 2 Bottom" (split plane): 179,100 185,100 185,89 179,89
no net on Layer0 "Default Coverlay 2 Bottom" (split plane): 231,89 225,89 225,100 231,100
GND on Bottom Layer "GND_L10_P171" (solid, pour order 171): 50,52 170,52 170,95 50,95
VPWR on Bottom Layer "Bottom Layer-VPWR" (solid, pour order 132): 137.25,79.2 137.8,79.75 139,79.75 153.5,79.75 154,79.25 154,55.25 154.45,54.8 155.8,54.8 157.25,54.8 157.25,82.25 156.75,82.75 120.75,82.75 120.5,83 120.5,84 121.25,84.75 121.25,89.75 119.75,91.25 116.75,91.25 114,88.5 114,55.25 114.45,54.8 117.25,54.8 117.25,78.75 118.25,79.75 133.5,79.75 134,79.25 134,72.75 134,55.25 134.45,54.8 137.25,54.8
GND on Top Layer "GND_L01_P178" (solid, pour order 178): 50,52 170,52 170,95 50,95
GND on Layer 8 "GND_L08_P172" (solid, pour order 172): 50,52 170,52 170,95 50,95
GND on Layer 9 "GND_L09_P179" (solid, pour order 179): 50,52 170,52 170,95 50,95
GND on Layer 6 "GND_L06_P173" (solid, pour order 173): 50,52 170,52 170,95 50,95
GND on Layer 4 "GND_L04_P175" (solid, pour order 175): 50,52 170,52 170,95 50,95
GND on Layer 3 "GND_L03_P176" (solid, pour order 176): 50,52 170,52 170,95 50,95
GND on Layer 2 "GND_L02_P177" (solid, pour order 177): 50,52 170,52 170,95 50,95
GND on Layer 7 "GND_L07_P180" (solid, pour order 180): 50,52 170,52 170,95 50,95

## Silkscreen, mask and mechanical layers (free items; w line width, h text height)
Top Overlay:
  text "NOT PCI-E CONNECTION" at 128.932,92.007 h3
  text ".PrName / V.Rev" at 122.575,72.848 h3
Board Shape:
  the board outline again, w0.1

## Text inside footprints (layer, text, board x,y; h text height)
"Logo FxLand1": Top Overlay "Fx.Land" at 113.357,67.054 h3